# Altium PCB STM32F103_扩展板.PcbDoc (part 2 of 2)
Units mil, origin at the board's own origin, x right, y up, seen from the top; angles counter-clockwise.
Board outline 6903.02 x 6528.03 mil, 2 copper layers (Top Layer, Bottom Layer); 142 components, 183 nets, 483 pads, 206 vias.
Unrouted connection lines stored in the file: 5.
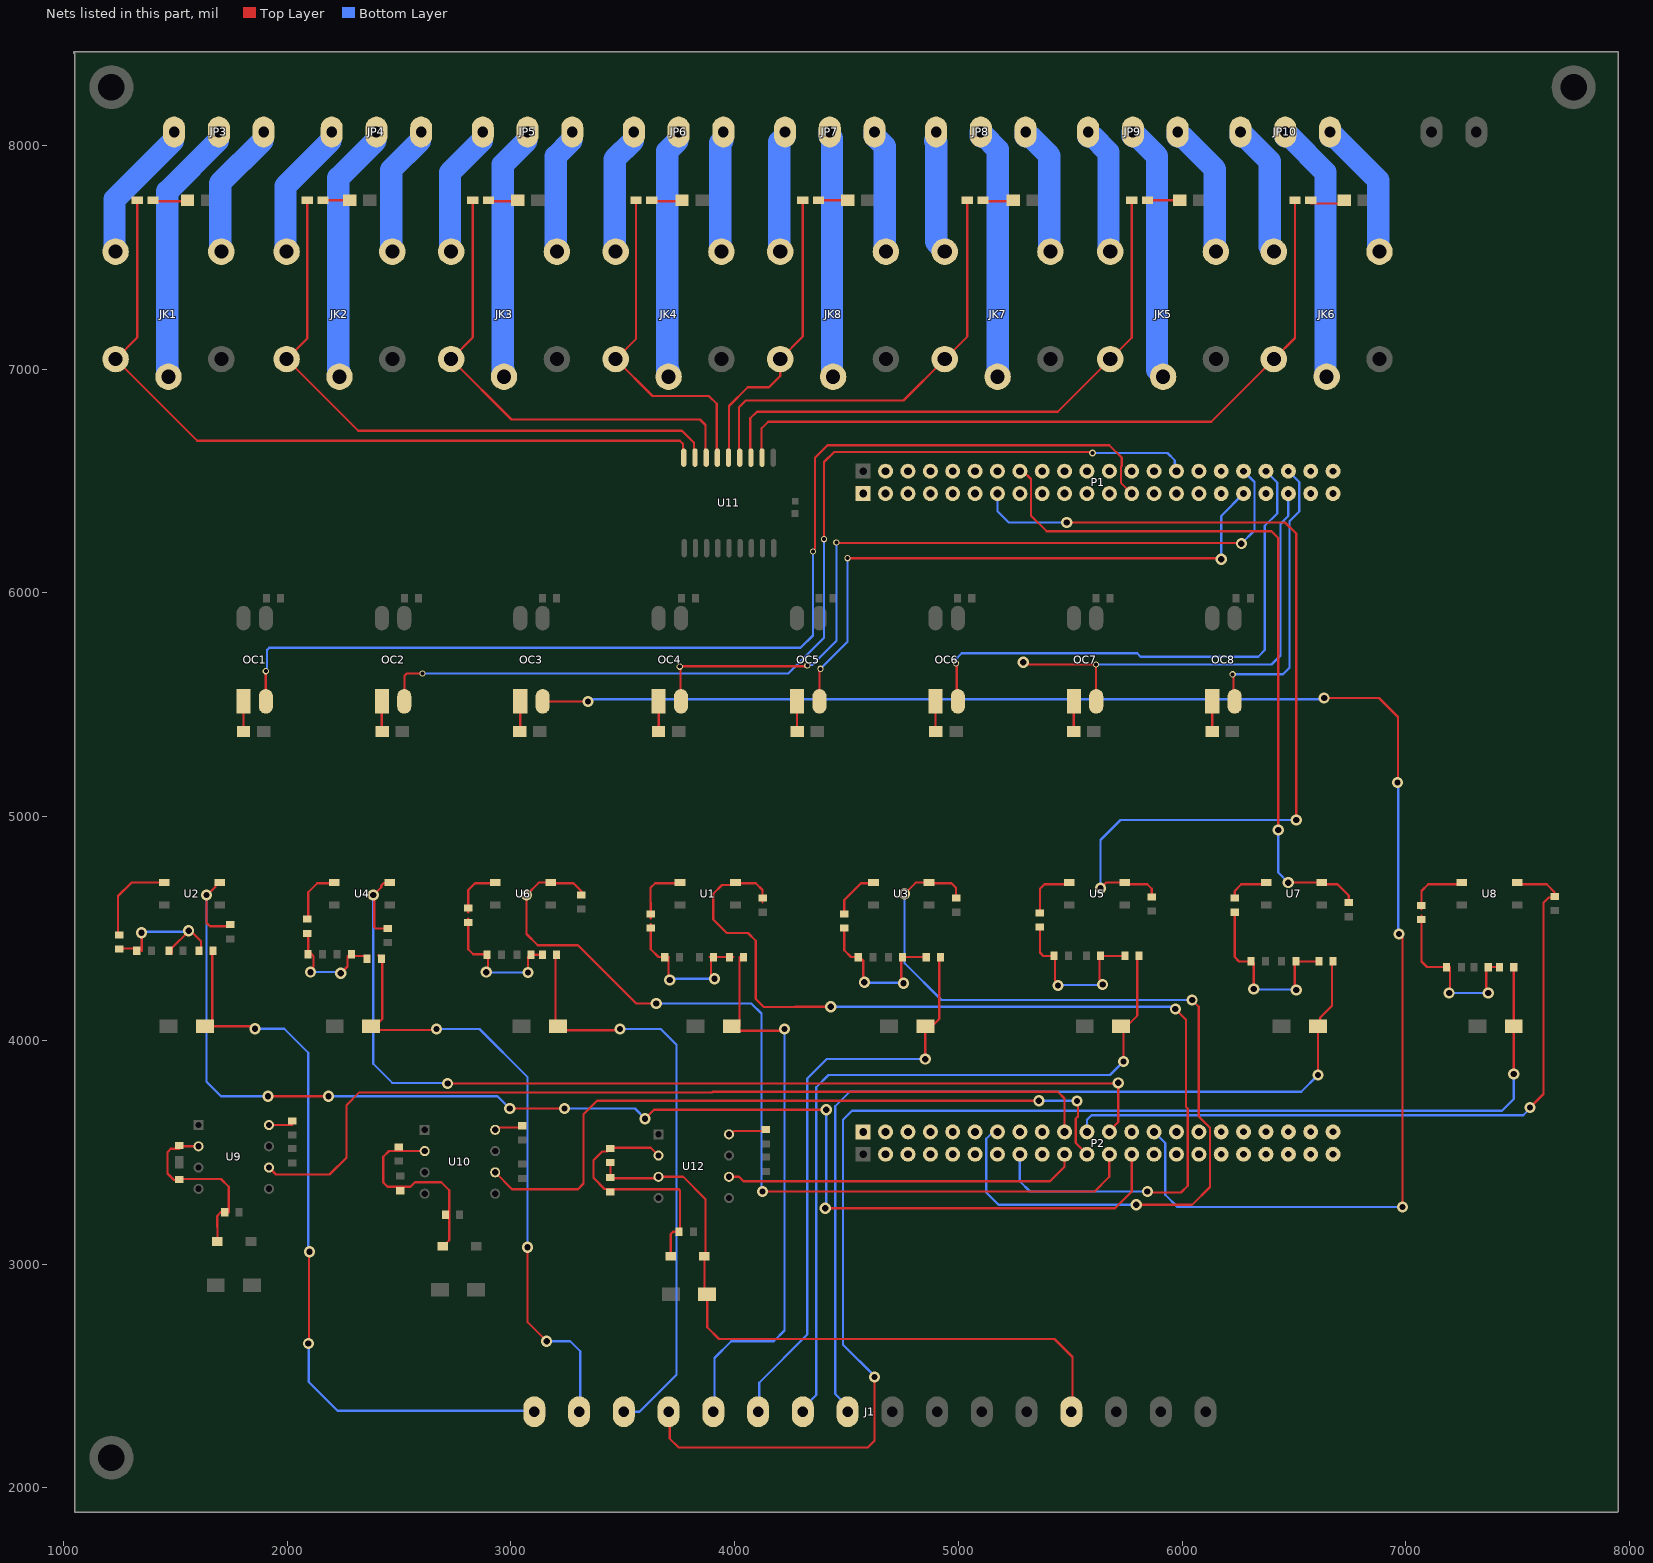
[diagram p2: the nets of this part, all layers, seen from the top]

## Via types
v1: diameter 50, hole 28, Top Layer to Bottom Layer, 96 vias
v2: diameter 19.68, hole 11.81, Top Layer to Bottom Layer, 89 vias
v3: diameter 28, hole 18, Top Layer to Bottom Layer, 13 vias
v4: diameter 28, hole 28, Top Layer to Bottom Layer, 6 vias
v5: diameter 30, hole 18, Top Layer to Bottom Layer, 2 vias

## Nets (pads, with @x,y where several pads share a name; then routed paths per layer and width w, separated by ;. In a path a pad name is that pad's centre, name@x,y a point inside that pad or via, vN(x,y) a via of type N, cw(c..) or ccw(c..) an arc to the next point about the centre after c; other vN are vias at no path point) (continued)
NetC1_1: C1.1 R1.2 R2.1 R7.2 | length 710.5
  Top Layer w10: 3625,4518.69 3625,4407.47 3660,4372.47 3706.22,4372.47 ; v1@3705,4280 3705,4370.31 ; 3887.56,4372.47 R7.2@3895,4372.47 ; v1(3910,4275) 3895,4290 R7.2@3895,4372.47 ; 3995,4372.47 R7.2@3895,4372.47
  Bottom Layer w10: v1(3710,4270) 3715,4275 v1(3910,4275)
NetC2_1: C2.1 R4.2 R5.1 R8.2 | length 654.3
  Top Layer w10: R5.1@1250,4410.86 1340.06,4410.86 1350.05,4400.86 ; v1(1348.79,4481.21) 1350.05,4479.95 1350.05,4400.86 ; R8.2@1485,4390 1485,4412.89 1560,4487.89 v1(1560,4490) 1568.06,4490 1615,4443.06 R4.2@1615,4396.6 ; 1350.05,4400.86 1350.91,4400 1350.05,4400.86
  Bottom Layer w10: v1(1348.79,4481.21) 1353.19,4485.6 1555.6,4485.6 v1(1560,4490)
NetC3_1: C3.1 R9.2 R10.1 R15.2 | length 719.8
  Top Layer w10: R10.1@4490,4504.98 4490,4402.47 4520,4372.47 4557.5,4372.47 4567.5,4362.48 4569.75,4362.48 4575.61,4356.62 4575.61,4264.39 v1(4580,4260) ; v1(4755,4255) 4755,4265.82 4745,4275.82 4745,4371.19 4746.28,4372.47 R9.2@4861.28,4372.47
  Bottom Layer w10: v1(4580,4260) 4582.5,4257.5 4752.5,4257.5 v1(4755,4255)
NetC4_1: C4.1 R12.2 R13.1 R16.2 | length 516.4
  Top Layer w10: R13.1@2090,4479.37 2095,4474.37 2095,4396.04 2103.57,4387.48 2107.5,4387.48 2117.5,4377.48 2117.5,4328.33 2105,4315.82 v1(2105,4305) ; v1(2240,4300) 2270,4330 2270,4377.47 R12.2@2366.22,4377.47
  Bottom Layer w10: v1(2105,4305) 2235,4305 v1(2240,4300)
NetC5_1: C5.1 R17.2 R18.1 R23.2 | length 781.5
  Top Layer w10: R18.1@5365,4509.98 5365,4392.47 5380,4377.47 5432.5,4377.47 5432.57,4377.41 5432.57,4268.25 5445,4255.82 v1(5445,4245) ; v1(5645,4250) 5645,4260.82 5631.28,4274.54 5631.28,4377.47 R17.2@5748.72,4377.47
  Bottom Layer w10: v1(5445,4245) 5447.5,4247.5 5642.5,4247.5 v1(5645,4250)
NetC6_1: C6.1 R20.2 R21.1 R24.2 | length 646.8
  Top Layer w10: 2810,4544.92 2810,4531.2 2810,4407.47 2832.47,4385 2894.98,4385 C6.1@2897.5,4382.48 ; v1(2890,4305) 2897.5,4312.5 C6.1@2897.5,4382.47 ; v1(3076.88,4303.12) 3076.88,4373.07 3086.28,4382.47 R20.2@3146.28,4382.47
  Bottom Layer w10: v1(2890,4305) 2891.88,4303.12 v1(3076.88,4303.12)
NetC7_1: C7.1 R25.2 R26.1 R31.2 | length 849.8
  Top Layer w10: R26.1@6235,4576.2 6235,4372.47 6255,4352.47 C7.1@6312.5,4352.47 ; C7.1@6312.5,4352.48 6320,4344.98 v1(6320,4230) ; v1(6510,4225) 6503.72,4231.28 6503.72,4352.47 R25.2@6616.28,4352.47
  Bottom Layer w10: v1(6320,4230) 6322.5,4227.5 6507.5,4227.5 v1(6510,4225)
NetC8_1: C8.1 R28.2 R29.1 R32.2 | length 806.1
  Top Layer w10: 7070,4557.47 7070,4352.47 7095,4327.48 C8.1@7187.5,4327.48 ; v1(7193.75,4211.25) 7197.49,4214.99 C8.1@7197.49,4326.57 ; v1(7368.75,4211.25) 7368.75,4222.07 7360,4230.82 7360,4323.75 7363.72,4327.47 R28.2@7423.72,4327.47
  Bottom Layer w10: v1(7193.75,4211.25) v1(7368.75,4211.25)
NetC10_1: C10.1 D1.1 R33.1 R35.2 U9.2 | length 835.5
  Top Layer w10: U9.2@1603.71,3526.29 1529.78,3526.29 1518.71,3515.22 1480.22,3515.22 1465,3500 1465,3405 1494.57,3375.43 1511.57,3375.43 1518.71,3382.57 1521.28,3380 1705,3380 1738.71,3346.29 1738.71,3231.29 1725,3231.29 1703.71,3231.29 1687.86,3215.43 1687.86,3166.13 1688.71,3165.27 D1.1@1688.71,3101.29
NetC12_1: C12.1 D2.1 R36.1 R38.2 U10.2 | length 901.2
  Top Layer w10: U10.2@2615,3505 2500,3505 2455,3505 2430,3480 2430,3365 2448.78,3346.22 2505,3346.22 2551.22,3346.22 2571.25,3366.25 2688.75,3366.25 2725,3330 2725,3220 2725,3106.06 2698.94,3080 D2.1@2695,3080
NetC15_1: C15.1 D11.1 R63.1 R65.2 U12.2 | length 1147.5
  Top Layer w10: U12.2@3660,3485 3625,3520 3445,3520 3445,3517.39 3430.71,3503.09 3408.09,3503.09 3370,3465 3370,3385 3418.94,3336.06 3443.94,3336.06 3445,3335 3750,3335 3756.28,3328.72 3756.28,3145 3725,3145 3715,3135 D11.1@3715,3035
NetD3_1: D3.1 R42.2 | length 130
  Top Layer w10: D3.1@1410,7750 R42.2@1540,7750
NetD4_1: D4.1 R43.2 | length 135
  Top Layer w10: D4.1@2166.72,7755 R43.2@2301.72,7755
NetD5_1: D5.1 R44.2 | length 130
  Top Layer w10: D5.1@2903.88,7750 R44.2@3033.89,7750
NetD6_1: D6.1 R45.2 | length 135
  Top Layer w10: D6.1@3633.9,7750 R45.2@3768.91,7750
NetD7_1: D7.1 R46.2 | length 145
  Top Layer w10: D7.1@4375.34,7755 R46.2@4520.34,7755
NetD8_1: D8.1 R47.2 | length 135
  Top Layer w10: D8.1@5115.86,7750 R47.2@5250.86,7750
NetD9_1: D9.1 R48.2 | length 145
  Top Layer w10: D9.1@5836.89,7754.74 R48.2@5981.89,7754.74
NetD10_1: D10.1 R49.2 | length 150.1
  Top Layer w10: D10.1@6575,7739.74 6724.74,7739.74 R49.2@6725,7740
NetJK1_3: JK1.3 JP3.2 | length 1134.5
  Bottom Layer w100: JK1.3@1470,6991.06 1464.88,6985.94 1464.88,7794.88 JP3.2@1690,8020
NetJK1_4: JK1.4 JP3.1 | length 583.2
  Bottom Layer w100: JK1.4@1228.66,7545 1228.66,7758.66 JP3.1@1490,8020
NetJK1_5: JK1.5 JP3.3 | length 553.2
  Bottom Layer w100: JK1.5@1701.1,7545 1701.1,7831.1 JP3.3@1890,8020
NetJK2_3: JK2.3 JP4.2 | length 1109.7
  Bottom Layer w100: JK2.3@2234.26,6991.06 2229.14,6985.94 2229.14,7854.88 JP4.2@2394.26,8020
NetJK2_4: JK2.4 JP4.1 | length 558.4
  Bottom Layer w100: JK2.4@1992.92,7545 1992.92,7818.66 JP4.1@2194.26,8020
NetJK2_5: JK2.5 JP4.3 | length 528.4
  Bottom Layer w100: JK2.5@2465.36,7545 2465.36,7891.1 JP4.3@2594.26,8020
NetJK3_3: JK3.3 JP5.2 | length 1084.8
  Bottom Layer w100: JK3.3@2969.62,6991.06 2964.5,6985.94 2964.5,7914.88 JP5.2@3069.62,8020
NetJK3_4: JK3.4 JP5.1 | length 533.5
  Bottom Layer w100: JK3.4@2728.28,7545 2728.28,7878.66 JP5.1@2869.62,8020
NetJK3_5: JK3.5 JP5.3 | length 503.5
  Bottom Layer w100: JK3.5@3200.72,7545 3200.72,7951.1 JP5.3@3269.62,8020
NetJK4_3: JK4.3 JP6.2 | length 1060
  Bottom Layer w100: JK4.3@3704.98,6991.06 3699.86,6985.94 3699.86,7974.88 JP6.2@3744.98,8020
NetJK4_4: JK4.4 JP6.1 | length 508.7
  Bottom Layer w100: JK4.4@3463.64,7545 3463.64,7938.66 JP6.1@3544.98,8020
NetJK4_5: JK4.5 JP6.3 | length 478.7
  Bottom Layer w100: JK4.5@3936.08,7545 3936.08,8011.1 JP6.3@3944.98,8020
NetJK5_3: JK5.3 JP9.2 | length 1160.5
  Bottom Layer w100: JP9.2@5780.3,8060 5780.3,8041.89 5781.08,8041.1 5799.2,8041.1 5888.19,7952.11 5888.19,6997.83 5915.18,6970.85 JK5.3@5915.18,6965.94
NetJK5_4: JK5.4 JP9.1 | length 586.5
  Bottom Layer w100: JP9.1@5580.3,8060 5580.3,8041.89 5581.08,8041.1 5599.2,8041.1 5671.09,7969.2 5671.09,7537.77 5678.96,7529.9 JK5.4@5678.96,7525
NetJK5_5: JK5.5 JP9.3 | length 594.4
  Bottom Layer w100: JP9.3@5980.3,8060 5980.3,8041.89 5981.08,8041.1 5999.2,8041.1 6146.4,7893.9 JK5.5@6146.4,7545
NetJK6_3: JK6.3 JP10.2 | length 1159.3
  Bottom Layer w100: JP10.2@6461.18,8060 6461.18,8041.89 6461.97,8041.1 6480.08,8041.1 6641.3,7879.88 JK6.3@6641.3,6985.94
NetJK6_4: JK6.4 JP10.1 | length 607.3
  Bottom Layer w100: JP10.1@6261.18,8060 6261.18,8041.89 6261.97,8041.1 6280.08,8041.1 6391.59,7929.59 6391.59,7548.39 6410.08,7529.9 JK6.4@6410.08,7525
NetJK6_5: JK6.5 JP10.3 | length 615.2
  Bottom Layer w100: JP10.3@6661.18,8060 6661.18,8041.89 6661.97,8041.1 6680.08,8041.1 6877.52,7843.66 JK6.5@6877.52,7545
NetJK7_3: JK7.3 JP8.2 | length 1129
  Bottom Layer w100: JP8.2@5100.7,8060 5100.7,8041.89 5101.48,8041.1 5116.33,8041.1 5175.7,7981.74 5175.7,6974.31 JK7.3@5172.11,6974.31
NetJK7_4: JK7.4 JP8.1 | length 513.1
  Bottom Layer w100: JP8.1@4895.7,8020 4900.7,8015 4900.7,7568.56 4939.36,7529.9 JK7.4@4939.36,7525
NetJK7_5: JK7.5 JP8.3 | length 569.6
  Bottom Layer w100: JP8.3@5300.7,8060 5300.7,8041.89 5301.48,8041.1 5319.6,8041.1 5406.8,7953.9 JK7.5@5406.8,7545
NetJK8_3: JK8.3 JP7.2 | length 1078.1
  Bottom Layer w100: JP7.2@4425.34,8060 4425.34,8041.89 4435.22,8032.01 JK8.3@4435.22,6985.94
NetJK8_4: JK8.4 JP7.1 | length 525.9
  Bottom Layer w100: JK8.4@4199,7545 4199,8015.55 4225.34,8041.89 JP7.1@4225.34,8060
NetJK8_5: JK8.5 JP7.3 | length 534.1
  Bottom Layer w100: JP7.3@4625.34,8060 4625.34,8041.89 4671.44,7995.79 JK8.5@4671.44,7545
NetOC1_1: OC1.1 R39.1 | length 140
  Top Layer w10: R39.1@1805,5375 OC1.1@1805,5515
NetOC2_1: OC2.1 R41.1 | length 135.6
  Top Layer w10: OC2.1@2423.57,5515 2423.57,5381.43 R41.1@2425,5380
NetOC3_1: OC3.1 R51.1 | length 145.9
  Top Layer w10: R51.1@3040,5370 3042.14,5372.14 OC3.1@3042.14,5515
NetOC4_1: OC4.1 R53.1 | length 140.3
  Top Layer w10: R53.1@3660,5375 3660.71,5375.71 OC4.1@3660.71,5515
NetOC5_1: OC5.1 R55.1 | length 140.3
  Top Layer w10: OC5.1@4279.29,5515 4279.29,5375.71 R55.1@4280,5375
NetOC6_1: OC6.1 R57.1 | length 140.9
  Top Layer w10: OC6.1@4897.86,5515 4897.86,5377.14 R57.1@4900,5375
NetOC7_1: OC7.1 R59.1 | length 140.6
  Top Layer w10: R59.1@5515,5375 5516.43,5376.43 OC7.1@5516.43,5515
NetOC8_1: OC8.1 R61.1 | length 155
  Top Layer w10: R61.1@6135,5360 OC8.1@6135,5515
NetR2_2: R2.2 U1.1 | length 276.2
  Top Layer w10: 3625,4546.25 3625,4615.93 3624.14,4616.79 3624.14,4681.62 3645,4702.47 U1.1@3755.98,4702.47
NetR5_2: R5.2 U2.1 | length 399.9
  Top Layer w10: R5.2@1244.63,4470 1244.63,4645 1304.63,4705 U2.1@1444.71,4705
NetR10_2: R10.2 U3.1 | length 229.5
  Top Layer w10: R10.2@4490,4559.98 4490,4627.47 4565,4702.47 U3.1@4620.98,4702.47
NetR13_2: R13.2 U4.1 | length 257.8
  Top Layer w10: R13.2@2090,4540 2095,4545 2095,4580.32 2094.14,4581.18 2094.14,4661.62 2135,4702.47 U4.1@2210.98,4702.47
NetR18_2: R18.2 U5.1 | length 251.8
  Top Layer w10: R18.2@5365,4564.98 5365,4677.47 5385,4697.47 U5.1@5495.98,4697.47
NetR21_2: R21.2 U6.1 | length 234.1
  Top Layer w10: 2810,4572.47 2810,4624.04 2809.14,4624.9 2809.14,4671.62 2840,4702.47 U6.1@2930.98,4702.47
NetR26_2: R26.2 U7.1 | length 189.7
  Top Layer w10: R26.2@6235,4631.2 6235,4667.47 6265,4697.47 U7.1@6375.98,4697.47
NetR29_2: R29.2 U8.1 | length 275.9
  Top Layer w10: 7070,4585.03 7070,4667.47 7100,4697.47 U8.1@7250.98,4697.47
PA0: P2.35 U9.6 | length 4021.6
  Top Layer w10: U9.6@1918.71,3431.29 1950,3400 2190,3400 2265,3475 2265,3710 2322.5,3767.5 3900,3767.5 3902.5,3770 5445,3770 5475,3740 P2.35@5475,3590.98
PA1: P2.11 U10.6 | length 3242.9
  Top Layer w10: U10.6@2930,3410 3005,3335 3300,3335 3325,3360 3325,3670 3385,3730 v1(5360,3730) ; v1@5529.14,3730 v1(5530,3729.14) 5535,3724.14 5535,3660 5525,3650 5525,3540.98 P2.11@5575,3490.98
  Bottom Layer w10: v1(5360,3730) 5360.43,3729.57 5529.57,3729.57 v1(5530,3729.14)
PA4: P2.10 U12.6 | length 1591.2
  Top Layer w10: U12.6@3975,3390 4020,3390 4040,3370 5410,3370 5475,3435 P2.10@5475,3490.98
PA5: P2.36
PA6: P2.9
PA7: P2.37
PA8: P1.9
PA13: P1.35
PA14: P1.10
PA15: P1.34
PB0: P2.7
PB1: P2.39
PB2: P2.6
PB3: P1.19
PB4: OC8.2 P1.25 | length 1312.7
  Top Layer w10: v3(6226.25,5636.25) 6229.69,5632.81 6229.69,5520.31 OC8.2@6235,5515
  Bottom Layer w10: v3@6222.5,5632.5 v3(6226.25,5636.25) 6451.25,5636.25 6480,5665 6480,6320 6523.46,6363.46 6523.46,6495.28 P1.25@6475,6543.74
PB5: OC7.2 P1.20 | length 2074.5
  Top Layer w10: v1(5290,5690) 5297.65,5682.35 5313.51,5682.35 5315.86,5680 v3(5615,5680) 5615.71,5679.29 5615.71,5515.71 OC7.2@5616.43,5515
  Bottom Layer w10: v3(5615,5680) 6400,5680 6440,5720 6440,6308.28 6475,6343.28 P1.20@6475,6443.74
PB6: P1.24
PB7: P1.21
PB8: P1.23
PB9: P1.22
PB12: P2.44
PB13: P2.2
PB14: P1.1
PB15: P1.43
PC0: P2.13 R6.2 U2.6 | length 6011.3
  Top Layer w10: U2.6@1698.65,4705 1690.77,4705 1680.03,4694.25 1680.03,4686.38 1643.65,4650 v1(1640,4650) 1640,4525 1655,4510 R6.2@1740,4510 ; v1(1915,3750) v1(2185,3750) ; v1(2995,3695) v1(3240,3695) ; v1(3600,3650) 3640,3690 v1@4395,3690 ; v1(4405,3250) 5700,3250 5775,3325 P2.13@5775,3490.98
  Bottom Layer w10: v1(1640,4650) 1640,3815 1705,3750 v1(1915,3750) ; v1(2185,3750) 2940,3750 v1(2995,3695) ; v1(3240,3695) 3555,3695 v1(3600,3650) ; v1@4405,3240 4410,3245 v1(4410,3690)
PC1: P2.33 R14.2 U4.6 | length 4659.9
  Top Layer w10: U4.6@2439.02,4702.47 2431.14,4702.47 2420.39,4691.73 2420.39,4683.85 2390,4653.46 2390,4505.86 2395.86,4500 R14.2@2460.6,4500 ; v1(2717.5,3807.5) v1@5715,3807.5 ; P2.33@5675,3590.98 5675,3594.83 5715,3634.83 v1@5715,3807.5 ; v1(5715,3810) v1@5715,3807.5
  Bottom Layer w10: v1(2385,4650) 2385,3895 2470,3810 2720,3810 v1@2725,3815
PC2: P2.12 R22.2 U6.6 | length 4164.7
  Top Layer w10: U6.6@3179.02,4702.47 3280,4702.47 3315,4667.48 R22.2@3315,4644.98 ; U6.6@3179.02,4705 3125,4705 v1(3070,4650) 3070,4475 3120,4425 3300,4425 3560,4165 v1(3650,4165) v1@3660,4165 ; v1(4125,3325) 5610,3325 5675,3390 P2.12@5675,3490.98
  Bottom Layer w10: v1(3650,4165) 4075,4165 4120,4120 v1@4120,3320
PC3: P2.34 R30.2 U8.6 | length 3251.6
  Top Layer w10: U8.6@7499.02,4697.47 7630,4697.47 7665,4662.47 7665,4638.76 7638.76,4638.76 7615,4615 7615,3760 v1(7555,3700)
  Bottom Layer w10: P2.34@5575,3590.98 5575,3645 5595,3665 7525,3665 v1@7550,3690
PC4: P2.8 R3.2 U1.6 | length 4506.5
  Top Layer w10: 4125,4617.47 4125,4672.47 4095,4702.47 4004.02,4702.47 3995.79,4694.25 3944.25,4694.25 3905,4655 3905,4540 3965,4480 4060,4480 4095,4445 4095,4185 4130.86,4149.14 4270.76,4149.14 4271.62,4150 v1(4430,4150) ; v1@5850,3320 5995,3320 6025,3350 6025,3695 6017.07,3702.93 6017.07,4092.93 v1(5970,4140)
  Bottom Layer w10: v1(4430,4150) v1@5965,4150 ; P2.8@5275,3490.98 5275,3370 5320,3325 v1(5845,3325)
PC5: P2.38 R11.2 U3.6 | length 4200.5
  Top Layer w10: v1(4760,4655) 4810,4705 U3.6@4869.02,4705 ; U3.6@4869.02,4702.47 4970,4702.47 4990,4682.47 R11.2@4990,4631.2 ; v1(5795,3265) 6045,3265 6125,3345 6125,3609.52 6075,3659.52 6075,4150 v1(6045,4180)
  Bottom Layer w10: v1(4760,4655) 4760,4345 4925,4180 v1(6045,4180) ; P2.38@5175,3590.98 5159.6,3590.98 5155.98,3590.98 5125,3560 5125,3320 5180,3265 v1(5795,3265)
PC6: P1.7 R19.2 U5.6 | length 4166.5
  Top Layer w10: v1@5475,6325 v1(5485,6315) 6460,6315 6510,6265 v1(6510,4985) ; v1(5635,4680) 5660,4705 U5.6@5744.02,4705 ; U5.6@5744.02,4697.47 5845,4697.47 5865,4677.47 R19.2@5865,4636.2
  Bottom Layer w10: P1.7@5175,6443.74 5175,6365 5225,6315 v1(5485,6315) ; v1(5635,4680) 5635,4895 5725,4985 v1(6510,4985)
PC7: P1.37 R27.2 U7.6 | length 3260.5
  Top Layer w10: P1.37@5275,6543.74 5290.4,6543.74 5325,6509.14 5325,6345 5395,6275 6400,6275 6430,6245 v1(6430,4940) ; v1(6475,4705) U7.6@6624.02,4705 ; U7.6@6624.02,4697.47 6695,4697.47 6745,4647.47 R27.2@6745,4611.2
  Bottom Layer w10: v1(6430,4940) 6430,4750 v1(6475,4705)
PC8: P1.8
PC9: P1.36
PC10: P1.11
PC11: P1.33
PC12: P1.12
PC13: P2.19
PD2: P1.32
PD3: OC1.2 P1.13 | length 5096.5
  Top Layer w10: OC1.2@1905,5515 v3(1905,5650) ; v3(4350,6185) 4350,6189.87 4360,6199.87 4360,6462.21 4360,6605 4415,6660 5675,6660 5730,6605 5730,6567.28 5726.54,6563.81 5726.54,6492.2 P1.13@5775,6443.74
  Bottom Layer w10: v3(1905,5650) 1910,5655 1910,5745 1920,5755 4295,5755 4350,5810 v3(4350,6185)
PD4: P1.31
PD5: P1.14
PD6: OC2.2 P1.30 | length 4526
  Top Layer w10: OC2.2@2523.57,5538.62 OC2.2@2523.57,5515 2525,5516.43 2525,5630 2535,5640 v3(2605,5640) v3@2601.56,5636.56 ; v3(4400,6240) 4400,6585 4445,6630 v5@5600,6630
  Bottom Layer w10: v3(2605,5640) 4240,5640 4400,5800 v3(4400,6240) ; v5(5600,6625) 5935,6625 5967.8,6592.2 5967.8,6550.94 P1.30@5975,6543.74
PD7: P1.15
PD11: P1.2
PD12: P1.42
PD13: P1.3 | length 6.2
  Bottom Layer w10: P1.3@4770.62,6439.37 P1.3@4775,6443.74
PE0: P2.23
PE1: P2.22
PE2: P2.24
PE3: P2.21
PE4: P2.25
PE5: P2.20
PE6: P2.26
PF0: P2.27
PF1: P2.18
PF2: P2.28
PF3: P2.17
PF4: P2.29
PF5: P2.16
PF6: P2.30
PF7: P2.15 | length 15.4
  Top Layer w10: P2.15@5975,3490.98 P2.15@5990.4,3491
PF8: OC3.2 P2.31 | length 7450
  Top Layer w10: OC3.2@3142.14,5515 v1(3345,5515) ; v1(6635,5530) 6880,5530 6965,5445 6965,5155 v1(6962.5,5152.5) ; v1(6970,4475) 6985,4460 v1(6985,3255)
  Bottom Layer w10: v1@3345,5525 v1@6635,5525 ; P2.31@5875,3590.98 5925,3540.98 5925,3310 5980,3255 v1(6985,3255) v1@6990,3260 ; v1(6962.5,5152.5) 6966.25,5148.75 6966.25,4478.75 v1(6970,4475)
PF9: P2.14
PF10: P2.32
PF11: P2.40
PF12: P2.5
PF13: P2.41
PF14: P2.4
PF15: P2.42
PG0: P2.3
PG1: P2.43
PG2: P1.41
PG3: P1.4
PG4: P1.40 | length 10.2
  Top Layer w10: P1.40@4967.8,6550.94 P1.40@4975,6543.74
PG5: P1.5
PG6: P1.39
PG7: P1.6
PG8: P1.38
PG9: P1.29
PG10: P1.16
PG11: P1.28
PG12: P1.17
PG13: OC4.2 P1.27 | length 3528.6
  Top Layer w10: OC4.2@3760.71,5515 3757.86,5517.86 3757.86,5667.14 v3(3755,5670) 3757.5,5672.5 4322.5,5672.5 v3(4325,5675) ; v3(4455,6225) 4457.5,6222.5 6262.5,6222.5 v1(6265,6220)
  Bottom Layer w10: v3@3755,5675 v3@3757.5,5672.5 ; v3(4325,5675) 4328.44,5678.44 4348.44,5678.44 4455,5785 v3(4455,6225) ; v1(6265,6220) 6323.46,6278.46 6323.46,6495.28 P1.27@6275,6543.74
PG14: OC5.2 P1.18 | length 2697.2
  Top Layer w10: OC5.2@4379.29,5515 4379.42,5515.14 4379.42,5655.85 v3(4384.29,5660.71) ; v3(4505,6155) v1@6175,6155
  Bottom Layer w10: v3(4384.29,5660.71) 4505,5781.43 v3(4505,6155) ; v1(6175,6150) 6175,6343.74 P1.18@6275,6443.74
PG15: OC6.2 P1.26 | length 2448.6
  Top Layer w10: v3(4990,5685) 4993.44,5681.56 4993.44,5519.41 OC6.2@4997.86,5515
  Bottom Layer w10: v3(4990,5685) 4986.56,5688.44 4986.56,5698.44 4985,5700 5015,5730 5799.22,5730 5814.22,5715 6340,5715 6370,5745 6370,6300 6425,6355 6425,6493.74 P1.26@6375,6543.74
RELY1: D3.2 JK1.1 U11.18 | length 3533.6
  Top Layer w10: D3.2@1330,7754.74 1330,7141.02 JK1.1@1233.66,7044.69 1598.35,6680 3755,6680 3770,6665 U11.18@3770,6575
RELY2: D4.2 JK2.1 U11.17 | length 2820.5
  Top Layer w10: D4.2@2090,7754.74 2090,7136.77 JK2.1@1997.92,7044.69 2317.6,6725 3765,6725 3818.44,6671.56 3818.44,6576.56 U11.17@3820,6575
RELY3: D5.2 JK3.1 U11.16 | length 2183.9
  Top Layer w10: D5.2@2830,7754.74 2830,7141.4 JK3.1@2733.28,7044.69 3002.96,6775 3845,6775 3870,6750 U11.16@3870,6575
RELY4: D6.2 JK4.1 U11.15 | length 1552
  Top Layer w10: D6.2@3560,7754.74 3560,7136.04 JK4.1@3468.64,7044.69 3633.32,6880 3885,6880 3920,6845 U11.15@3920,6575
RELY5: D7.2 JK8.1 U11.14 | length 1347.1
  Top Layer w10: U11.14@3975,6600 3975,6835 4059,6919 4154,6919 4204,6969 JK8.1@4204,7044.69 4305,7145.68 D7.2@4305,7754.74
RELY6: D8.2 JK7.1 U11.13 | length 2015
  Top Layer w10: U11.13@4020,6575 4020,6830 4050,6860 4754.67,6860 JK7.1@4939.36,7044.69 5040,7145.33 D8.2@5040,7754.74
RELY7: D9.2 JK5.1 U11.12 | length 2673.4
  Top Layer w10: U11.12@4070,6575 4070,6780 4100,6810 5444.27,6810 JK5.1@5678.96,7044.69 5775,7140.73 D9.2@5775,7754.74
RELY8: D10.2 JK6.1 U11.11 | length 3327.7
  Top Layer w10: U11.11@4120,6575 4120.89,6575.89 4120.89,6735.89 4150,6765 6130.39,6765 JK6.1@6410.08,7044.69 6505,7139.6 D10.2@6505,7754.74
X10: J1.1 R4.1 TVS2.2 | length 3404.1
  Top Layer w10: TVS2.2@1632.44,4063.51 1640,4063.51 1665,4088.51 R4.1@1665,4403.02 ; TVS2.2@1652.19,4066.61 1655.29,4063.51 1866.49,4063.51 v1@1870,4060 ; v1(2095,2645) 2097.5,2647.5 2097.5,3052.5 v1(2100,3055)
  Bottom Layer w10: v1(1856.29,4052.28) 1987.72,4052.28 2095,3945 v1@2095,3055 ; v1(2095,2645) 2096.45,2643.55 2096.45,2473.55 2225,2345 3105,2345 J1.1@3110,2340
X11: J1.2 R12.1 TVS4.2 | length 2809.6
  Top Layer w10: R12.1@2407.32,4379.29 2425,4361.61 2425,4095.62 2375.37,4045.99 2660.99,4045.99 v1@2670,4055 ; v1(3075,3075) 3075,2740 v1(3160,2655)
  Bottom Layer w10: v1(2668.05,4050.53) 2859.47,4050.53 3075,3835 v1(3075,3075) ; v1(3160,2655) 3265,2655 3310,2610 J1.2@3310,2340
X12: J1.3 R20.1 TVS6.2 | length 2683.3
  Top Layer w10: R20.1@3200,4386.06 3200,4052.47 3210,4042.47 3212.53,4045 v1@3490,4045
  Bottom Layer w10: v1(3488.05,4050.53) 3669.47,4050.53 3740,3980 3740,2505 3575,2340 J1.3@3510,2340
X13: J1.4 R28.1 TVS8.2 | length 6185.4
  Top Layer w10: J1.4@3710,2340 3710,2220 3750,2180 4595,2180 4625,2210 v1@4625,2490 ; v1@4620,2490 v1(4625,2495) ; R28.1@7481.54,4327.47 7482.44,4326.57 7482.44,3997.99 7482.7,3997.72 v1(7482.7,3849.92)
  Bottom Layer w10: v1(4625,2495) 4625,2500 4485,2640 4485,3645 4525,3685 7430,3685 7482.7,3737.7 v1(7482.7,3849.92)
X14: J1.5 R1.1 TVS1.2 | length 2533.9
  Top Layer w10: TVS1.2@3987.44,4042.99 TVS1.2@3997.44,4042.99 ; 4022.56,4372.47 4022.56,4068.1 TVS1.2@3997.44,4042.99 ; v1@4225,4055 4212.99,4042.99 TVS1.2@3997.44,4042.99
  Bottom Layer w10: J1.5@3910,2340 3910,2580 3985,2655 4175,2655 4223.05,2703.05 v1(4223.05,4050.53)
X15: J1.6 R9.1 TVS3.2 | length 2637.4
  Top Layer w10: v1@4858.05,3910.53 v1(4852.44,3916.13) 4852.44,4042.99 4862.44,4042.99 4915,4095.55 R9.1@4915,4371.7
  Bottom Layer w10: J1.6@4110,2340 4110,2470 4325,2685 4325,3830 4411.13,3916.13 v1(4852.44,3916.13)
X16: J1.7 R17.1 TVS5.2 | length 3405
  Top Layer w10: v1(5738.05,3905.53) 5738.05,4037.38 5727.44,4047.99 5737.44,4047.99 5800,4110.55 R17.1@5800,4376.59
  Bottom Layer w10: J1.7@4310,2340 4310,2359.69 4365,2414.69 4365,3790 4420,3845 5677.52,3845 v1(5738.05,3905.53)
X17: J1.8 R25.1 TVS7.2 | length 4161
  Top Layer w10: J1.8@4493.08,2323.08 J1.8@4510,2340 ; v1(6608.05,3845.53) 6608.05,4022.38 6607.44,4022.99 TVS7.2@6607.44,4063.51 6617.65,4073.73 6617.65,4102.65 6670,4155 R25.1@6670,4350.38
  Bottom Layer w10: J1.8@4510,2340 4510,2359.69 4450,2419.69 4450,3705 4515,3770 6532.52,3770 v1(6608.05,3845.53)
XC00: R34.2 U9.8 | length 105
  Top Layer w10: U9.8@1918.71,3621.29 2023.71,3621.29
XC01: R37.2 U10.8 | length 124
  Top Layer w10: U10.8@2930,3600 2939.47,3600 2949.47,3610 R37.2@3049.89,3610
XC02: R64.2 U12.8 | length 165.8
  Top Layer w10: U12.8@3975,3580 3983.36,3580 3998.36,3595 R64.2@4134.62,3595
Z: C15.2 D11.2 J1.13 R65.1 TVS11.1 U12.3 | length 3039.6
  Top Layer w10: R65.1@3445,3442.5 3445,3383.94 3653.94,3383.94 U12.3@3660,3390 3770,3390 3870,3290 3870,3040 D11.2@3865,3035 3865,2877.95 TVS11.1@3877.44,2865.51 3877.44,2717.56 3930,2665 5430,2665 5510,2585 J1.13@5510,2340
pads on no net: J1.10 U9.7 U10.7 U12.7
copper on no net:
  other v1: 7385,4665

## Polygon pours and split planes (outlines as drawn)
GND on Top Layer "GND_L01_P005" (solid, pour order 5): 7950,5085 7950,1895 7945,1890 7930,1905 1055,1905 1055,5085
GND_RELY on Top Layer "Top Layer-UP" (solid, remove dead copper, pour order 0): 1060,8415 7949.02,8415 7949.02,5455 1060,5455
no net on Top Layer "NONET_L01_P008" (solid, pour order 8): 7217.5,8410 7220,8407.5 7220,6610 7945,6610 7946.51,6611.51 7946.51,8417.5 7222.5,8417.5 7190,8385 7190,6715
no net on Top Layer "NONET_L01_P007" (solid, pour order 7): 7220,8415 7220,6425 7945,6425 7945,8410.99 7949.01,8415 7944.01,8420 7222.5,8420 7215,8412.5 7217.5,8410 7235,8410
no net on Top Layer "NONET_L01_P006" (solid, pour order 6): 7210,8410 7210,6505 7215,6510 7945,6510 7945,8410.98 7949.02,8415 7949.01,8415 7220,8415
GND_RELY on Bottom Layer "Top Layer-UP" (solid, remove dead copper, pour order 4): 1047.5,8415 7949.02,8415 7949.02,5445 1047.5,5445

## Other copper
Top Layer:
  region net GND_RELY: 7227.5,8412.5 7227.5,6495 7950,6495 7949.01,6495.99 7949.01,8415
  region net +12_RELY: 4155,6640 4162.5,6647.5 4345,6647.5 4345,6390 4215,6390 4155,6450
  region net GND_RELY: 4155,6358.9 4165,6368.9 4315,6368.9 4315,6125 4155,6125
  pour cut-out: 4034.77,5995 3840,5995 3840,6100 4025,6100 4030,6105
  pour cut-out: 3750.28,6905.3 4155,6905 4155,6680 3749.71,6680

## Silkscreen, mask and mechanical layers (free items; w line width, h text height)
Top Overlay:
  text "NC1" at 1390,8320 h60
  text "COM1" at 1590,8320 h60
  text "NO1" at 1850,8320 h60
  text "NC2" at 2065,8320 h60
  text "CO2" at 2295,8320 h60
  text "NO2" at 2525,8320 h60
  text "NC3" at 2750,8320 h60
  text "COM3" at 2950,8320 h60
  text "NO3" at 3210,8320 h60
  text "NC4" at 3430,8320 h60
  text "COM4" at 3630,8320 h60
  text "NO4" at 3890,8320 h60
  text "NC5" at 4105,8320 h60
  text "COM5" at 4305,8320 h60
  text "NO5" at 4565,8320 h60
  text "NC6" at 4790,8320 h60
  text "COM6" at 4990,8320 h60
  text "NO6" at 5250,8320 h60
  text "NC7" at 5465,8320 h60
  text "COM7" at 5665,8320 h60
  text "NO7" at 5925,8320 h60
  text "NC8" at 6155,8320 h60
  text "COM8" at 6355,8320 h60
  text "NO8" at 6615,8320 h60
  text "GND" at 7255,8320 h60
  text "12V+" at 6990,8315 h60
  text "DI1" at 3000,1995 h60
  text "DI2" at 3205,1995 h60
  text "DI3" at 3425,1995 h60
  text "DI4" at 3635,1995 h60
  text "DI5" at 3845,1995 h60
  text "DI6" at 4050,1995 h60
  text "DI7" at 4255,1995 h60
  text "DI8" at 4465,1995 h60
  text "COM" at 4660,1995 h60
  text "A" at 5075,1995 h60
  text "B" at 5280,1995 h60
  text "Z" at 5475,1995 h60
  text "GND" at 5605,1995 h60
  text "COMX" at 5820,1995 h60
  text "3.3V" at 6085,1995 h60
Bottom Overlay:
  text "PB8" at 6855,6535 h31.5
  text "PE1" at 6870,3475 h31.5
Mechanical 1:
  lines w8: 1050,8415 7945,8415 ; 1055,8415 1055,1895 7945,1895